# KiCad board main.kicad_pcb (continued)
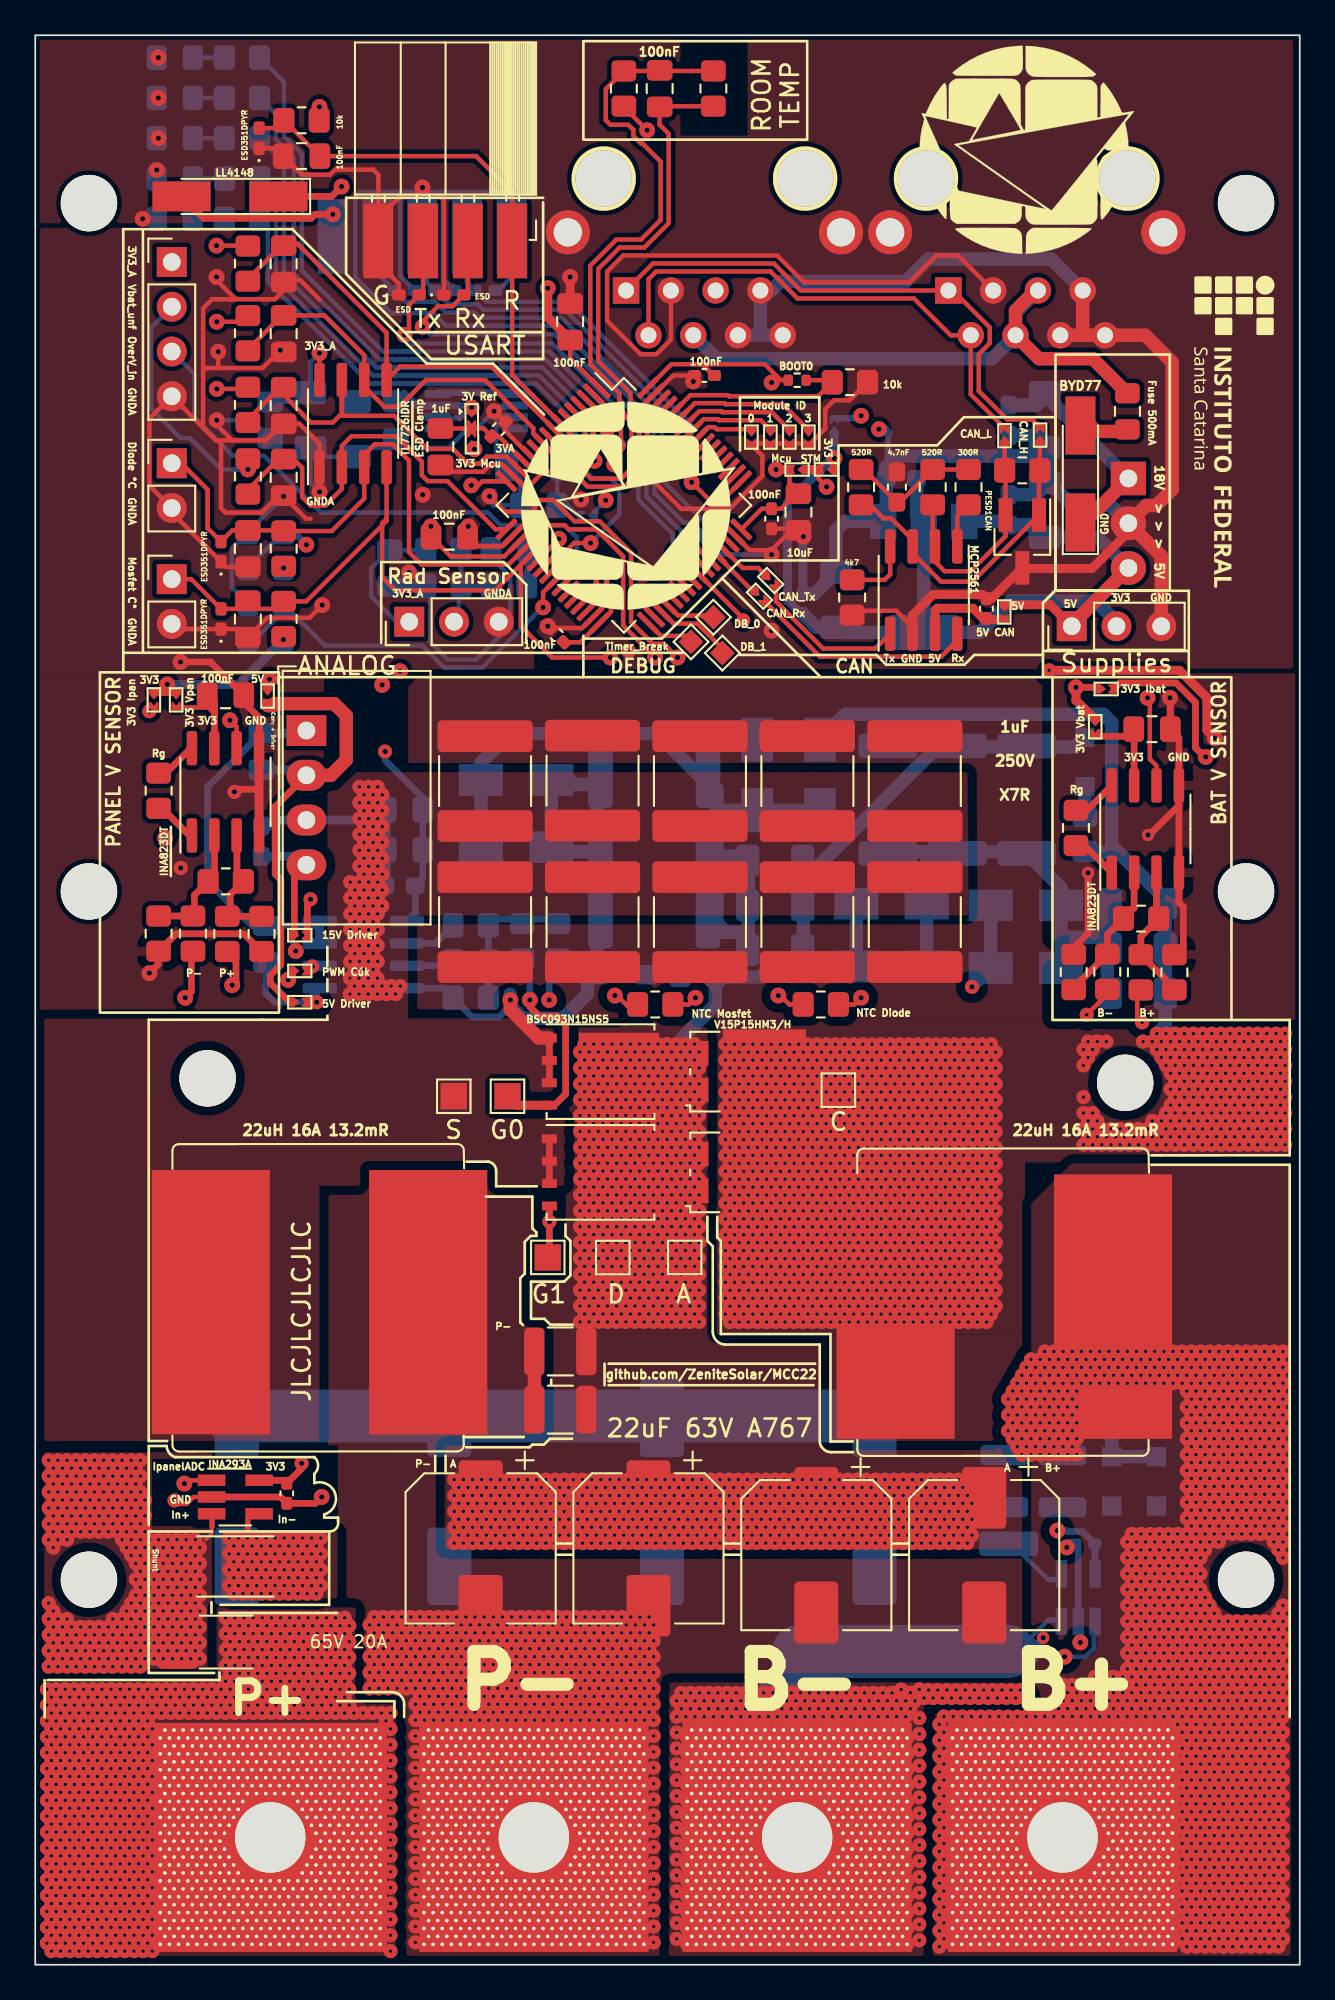
[diagram p0: board, top side]
## Routing (per net, layer and track width the routed paths; a pad name or vN(x,y) marks a point on that pad's centre or on a via; arc(x,y) is an arc through that point) (continued)
  vias: v2(11.01,24.21) v2(11.01,23.31) v2(11.01,22.41) v2(11.01,21.51) v2(11.27,23.76) v2(11.27,22.86) v2(11.27,21.96) v2(11.27,21.06) v2(11.53,24.21) v2(11.53,23.31) v2(11.53,22.41) v2(11.53,21.51) v2(11.79,23.76) v2(11.79,22.86) v2(11.79,21.96) v2(11.79,21.06) v2(12.05,24.21) v2(12.05,23.31) v2(12.05,22.41) v2(12.05,21.51) v2(12.31,23.76) v2(12.31,22.86) v2(12.31,21.96) v2(12.31,21.06) v2(12.57,24.21) v2(12.57,23.31) v2(12.57,22.41) v2(12.57,21.51) v2(12.83,23.76) v2(12.83,22.86) v2(12.83,21.96) v2(12.83,21.06) v2(13.09,24.21) v2(13.09,23.31) v2(13.09,22.41) v2(13.09,21.51) v2(13.35,23.76) v2(13.35,22.86) v2(13.35,21.96) v2(13.35,21.06) v2(13.61,24.21) v2(13.61,23.31) v2(13.61,22.41) v2(13.61,21.51) v2(13.87,23.76) v2(13.87,22.86) v2(13.87,21.96) v2(13.87,21.06) v2(14.13,24.21) v2(14.13,23.31) v2(14.13,22.41) v2(14.13,21.51) v2(14.39,23.76) v2(14.39,22.86) v2(14.39,21.96) v2(14.39,21.06) v2(14.65,24.21) v2(14.65,23.31) v2(14.65,22.41) v2(14.65,21.51) v2(14.91,23.76) v2(14.91,22.86) v2(14.91,21.96) v2(14.91,21.06) v2(15.17,24.21) v2(15.17,23.31) v2(15.17,22.41) v2(15.17,21.51) v2(15.43,23.76) v2(15.43,22.86) v2(15.43,21.96) v2(15.43,21.06) v2(15.69,24.21) v2(15.69,23.31) v2(15.69,22.41) v2(15.69,21.51) v2(15.95,23.76) v2(15.95,22.86) v2(15.95,21.96) v2(15.95,21.06) v2(16.21,24.21) v2(16.21,23.31) v2(16.21,22.41) v2(16.21,21.51) v2(23.77,27.53) v2(23.77,26.62) v2(23.77,25.72) v2(23.77,24.82) v2(23.77,23.92) v2(24.03,27.08) v2(24.03,26.17) v2(24.03,25.27) v2(24.03,24.37) v2(24.29,27.53) v2(24.29,26.62) v2(24.29,25.72) v2(24.29,24.82) v2(24.29,23.92) v2(24.55,27.08) v2(24.55,26.17) v2(24.55,25.27) v2(24.55,24.37) v2(24.81,27.53) v2(24.81,26.62) v2(24.81,25.72) v2(24.81,24.82) v2(24.81,23.92) v2(25.07,27.08) v2(25.07,26.17) v2(25.07,25.27) v2(25.07,24.37) v2(25.33,27.53) v2(25.33,26.62) v2(25.33,25.72) v2(25.33,24.82) v2(25.33,23.92) v2(25.59,27.08) v2(25.59,26.17) v2(25.59,25.27) v2(25.59,24.37) v2(25.85,27.53) v2(25.85,26.62) v2(25.85,25.72) v2(25.85,24.82) v2(25.85,23.92) v2(26.11,27.08) v2(26.11,26.17) v2(26.11,25.27) v2(26.11,24.37) v2(26.37,27.53) v2(26.37,26.62) v2(26.37,25.72) v2(26.37,24.82) v2(26.37,23.92) v2(26.63,27.08) v2(26.63,26.17) v2(26.63,25.27) v2(26.63,24.37) v2(26.89,27.53) v2(26.89,26.62) v2(26.89,25.72) v2(26.89,24.82) v2(26.89,23.92) v2(27.15,27.08) v2(27.15,26.17) v2(27.15,25.27) v2(27.15,24.37) v2(27.41,27.53) v2(27.41,26.62) v2(27.41,25.72) v2(27.41,24.82) v2(27.41,23.92) v2(27.67,27.08) v2(27.67,26.17) v2(27.67,25.27) v2(27.67,24.37) v2(27.93,27.53) v2(27.93,26.62) v2(27.93,25.72) v2(27.93,24.82) v2(27.93,23.92) v2(28.19,27.08) v2(28.19,26.17) v2(28.19,25.27) v2(28.19,24.37) v2(28.45,27.53) v2(28.45,26.62) v2(28.45,25.72) v2(28.45,24.82) v2(28.45,23.92) v2(28.71,27.08) v2(28.71,26.17) v2(28.71,25.27) v2(28.71,24.37) v2(28.97,27.53) v2(28.97,26.62) v2(28.97,25.72) v2(28.97,24.82) v2(28.97,23.92) v2(29.23,27.08) v2(29.23,26.17) v2(29.23,25.27) v2(29.23,24.37) v2(29.49,27.53) v2(29.49,26.62) v2(29.49,25.72) v2(29.49,24.82) v2(29.49,23.92) v2(29.75,27.08) v2(29.75,26.17) v2(29.75,25.27) v2(29.75,24.37) v2(30.01,27.53) v2(30.01,26.62) v2(30.01,25.72) v2(30.01,24.82) v2(30.01,23.92) v2(30.27,27.08) v2(30.27,26.17) v2(30.27,25.27) v2(30.27,24.37) v2(30.53,27.53) v2(30.53,26.62) v2(30.53,25.72) v2(30.53,24.82) v2(30.53,23.92) v2(30.79,27.08) v2(30.79,26.17) v2(30.79,25.27) v2(30.79,24.37) v2(30.91,51.78) v2(30.91,50.88) v2(30.91,49.98) v2(30.91,49.08) v2(30.91,48.18) v2(30.91,47.28) v2(30.91,46.38) v2(30.91,45.48) v2(30.91,44.58) v2(30.91,43.68) v2(30.91,42.78) v2(30.91,41.88) v2(30.91,40.98) v2(30.91,40.07) v2(30.91,39.17) v2(30.91,38.27) v2(30.91,37.37) v2(30.91,36.47) v2(31.05,27.53) v2(31.05,26.62) v2(31.05,25.72) v2(31.05,24.82) v2(31.05,23.92) v2(31.17,52.23) v2(31.17,51.33) v2(31.17,50.43) v2(31.17,49.53) v2(31.17,48.63) v2(31.17,47.73) v2(31.17,46.83) v2(31.17,45.93) v2(31.17,45.03) v2(31.17,44.13) v2(31.17,43.23) v2(31.17,42.33) v2(31.17,41.43) v2(31.17,40.52) v2(31.17,39.62) v2(31.17,38.72) v2(31.17,37.82) v2(31.17,36.92) v2(31.31,27.08) v2(31.31,26.17) v2(31.31,25.27) v2(31.31,24.37) v2(31.43,51.78) v2(31.43,50.88) v2(31.43,49.98) v2(31.43,49.08) v2(31.43,48.18) v2(31.43,47.28) v2(31.43,46.38) v2(31.43,45.48) v2(31.43,44.58) v2(31.43,43.68) v2(31.43,42.78) v2(31.43,41.88) v2(31.43,40.98) v2(31.43,40.07) v2(31.43,39.17) v2(31.43,38.27) v2(31.43,37.37) v2(31.43,36.47) v2(31.57,27.53) v2(31.57,26.62) v2(31.57,25.72) v2(31.57,24.82) v2(31.57,23.92) v2(31.69,52.23) v2(31.69,51.33) v2(31.69,50.43) v2(31.69,49.53) v2(31.69,48.63) v2(31.69,47.73) v2(31.69,46.83) v2(31.69,45.93) v2(31.69,45.03) v2(31.69,44.13) v2(31.69,43.23) v2(31.69,42.33) v2(31.69,41.43) v2(31.69,40.52) v2(31.69,39.62) v2(31.69,38.72) v2(31.69,37.82) v2(31.69,36.92) v2(31.83,27.08) v2(31.83,26.17) v2(31.83,25.27) v2(31.83,24.37) v2(31.95,51.78) v2(31.95,50.88) v2(31.95,49.98) v2(31.95,49.08) v2(31.95,48.18) v2(31.95,47.28) v2(31.95,46.38) v2(31.95,45.48) v2(31.95,44.58) v2(31.95,43.68) v2(31.95,42.78) v2(31.95,41.88) v2(31.95,40.98) v2(31.95,40.07) v2(31.95,39.17) v2(31.95,38.27) v2(31.95,37.37) v2(31.95,36.47) v2(32.09,27.53) v2(32.09,26.62) v2(32.09,25.72) v2(32.09,24.82) v2(32.09,23.92) v2(32.21,52.23) v2(32.21,51.33) v2(32.21,50.43) v2(32.21,49.53) v2(32.21,48.63) v2(32.21,47.73) v2(32.21,46.83) v2(32.21,45.93) v2(32.21,45.03) v2(32.21,44.13) v2(32.21,43.23) v2(32.21,42.33) v2(32.21,41.43) v2(32.21,40.52) v2(32.21,39.62) v2(32.21,38.72) v2(32.21,37.82) v2(32.21,36.92) v2(32.35,27.08) v2(32.35,26.17) v2(32.35,25.27) v2(32.35,24.37) v2(32.47,51.78) v2(32.47,50.88) v2(32.47,49.98) v2(32.47,49.08) v2(32.47,48.18) v2(32.47,47.28) v2(32.47,46.38) v2(32.47,45.48) v2(32.47,44.58) v2(32.47,43.68) v2(32.47,42.78) v2(32.47,41.88) v2(32.47,40.98) v2(32.47,40.07) v2(32.47,39.17) v2(32.47,38.27) v2(32.47,37.37) v2(32.47,36.47) v2(32.61,27.53) v2(32.61,26.62) v2(32.61,25.72) v2(32.61,24.82) v2(32.61,23.92) v2(32.73,52.23) v2(32.73,51.33) v2(32.73,50.43) v2(32.73,49.53) v2(32.73,48.63) v2(32.73,47.73) v2(32.73,46.83) v2(32.73,45.93) v2(32.73,45.03) v2(32.73,44.13) v2(32.73,43.23) v2(32.73,42.33) v2(32.73,41.43) v2(32.73,40.52) v2(32.73,39.62) v2(32.73,38.72) v2(32.73,37.82) v2(32.73,36.92) v2(32.87,27.08) v2(32.87,26.17) v2(32.87,25.27) v2(32.87,24.37) v2(32.99,51.78) v2(32.99,50.88) v2(32.99,49.98) v2(32.99,49.08) v2(32.99,48.18) v2(32.99,47.28) v2(32.99,46.38) v2(32.99,45.48) v2(32.99,44.58) v2(32.99,43.68) v2(32.99,42.78) v2(32.99,41.88) v2(32.99,40.98) v2(32.99,40.07) v2(32.99,39.17) v2(32.99,38.27) v2(32.99,37.37) v2(32.99,36.47) v2(33.13,27.53) v2(33.13,26.62) v2(33.13,25.72) v2(33.13,24.82) v2(33.13,23.92) v2(33.25,52.23) v2(33.25,51.33) v2(33.25,50.43) v2(33.25,49.53) v2(33.25,48.63) v2(33.25,47.73) v2(33.25,46.83) v2(33.25,45.93) v2(33.25,45.03) v2(33.25,44.13) v2(33.25,43.23) v2(33.25,42.33) v2(33.25,41.43) v2(33.25,40.52) v2(33.25,39.62) v2(33.25,38.72) v2(33.25,37.82) v2(33.25,36.92) v2(33.39,27.08) v2(33.39,26.17) v2(33.39,25.27) v2(33.39,24.37) v2(33.51,51.78) v2(33.51,50.88) v2(33.51,49.98) v2(33.51,49.08) v2(33.51,48.18) v2(33.51,47.28) v2(33.51,46.38) v2(33.51,45.48) v2(33.51,44.58) v2(33.51,43.68) v2(33.51,42.78) v2(33.51,41.88) v2(33.51,40.98) v2(33.51,40.07) v2(33.51,39.17) v2(33.51,38.27) v2(33.51,37.37) v2(33.51,36.47) v2(33.65,27.53) v2(33.65,26.62) v2(33.65,25.72) v2(33.65,24.82) v2(33.65,23.92) v2(33.77,52.23) v2(33.77,51.33) v2(33.77,50.43) v2(33.77,49.53) v2(33.77,48.63) v2(33.77,47.73) v2(33.77,46.83) v2(33.77,45.93) v2(33.77,45.03) v2(33.77,44.13) v2(33.77,43.23) v2(33.77,42.33) v2(33.77,41.43) v2(33.77,40.52) v2(33.77,39.62) v2(33.77,38.72) v2(33.77,37.82) v2(33.77,36.92) v2(33.91,27.08) v2(33.91,26.17) v2(33.91,25.27) v2(33.91,24.37) v2(34.03,51.78) v2(34.03,50.88) v2(34.03,49.98) v2(34.03,49.08) v2(34.03,48.18) v2(34.03,47.28) v2(34.03,46.38) v2(34.03,45.48) v2(34.03,44.58) v2(34.03,43.68) v2(34.03,42.78) v2(34.03,41.88) v2(34.03,40.98) v2(34.03,40.07) v2(34.03,39.17) v2(34.03,38.27) v2(34.03,37.37) v2(34.03,36.47) v2(34.17,27.53) v2(34.17,26.62) v2(34.17,25.72) v2(34.17,24.82) v2(34.17,23.92) v2(34.29,52.23) v2(34.29,51.33) v2(34.29,50.43) v2(34.29,49.53) v2(34.29,48.63) v2(34.29,47.73) v2(34.29,46.83) v2(34.29,45.93) v2(34.29,45.03) v2(34.29,44.13) v2(34.29,43.23) v2(34.29,42.33) v2(34.29,41.43) v2(34.29,40.52) v2(34.29,39.62) v2(34.29,38.72) v2(34.29,37.82) v2(34.29,36.92) v2(34.43,27.08) v2(34.43,26.17) v2(34.43,25.27) v2(34.43,24.37) v2(34.55,51.78) v2(34.55,50.88) v2(34.55,49.98) v2(34.55,49.08) v2(34.55,48.18) v2(34.55,47.28) v2(34.55,46.38) v2(34.55,45.48) v2(34.55,44.58) v2(34.55,43.68) v2(34.55,42.78) v2(34.55,41.88) v2(34.55,40.98) v2(34.55,40.07) v2(34.55,39.17) v2(34.55,38.27) v2(34.55,37.37) v2(34.55,36.47) v2(34.69,27.53) v2(34.69,26.62) v2(34.69,25.72) v2(34.69,24.82) v2(34.69,23.92) v2(34.81,52.23) v2(34.81,51.33) v2(34.81,50.43) v2(34.81,49.53) v2(34.81,48.63) v2(34.81,47.73) v2(34.81,46.83) v2(34.81,45.93) v2(34.81,45.03) v2(34.81,44.13) v2(34.81,43.23) v2(34.81,42.33) v2(34.81,41.43) v2(34.81,40.52) v2(34.81,39.62) v2(34.81,38.72) v2(34.81,37.82) v2(34.81,36.92) v2(34.95,27.08) v2(34.95,26.17) v2(34.95,25.27) v2(34.95,24.37) v2(35.07,51.78) v2(35.07,50.88) v2(35.07,49.98) v2(35.07,49.08) v2(35.07,48.18) v2(35.07,47.28) v2(35.07,46.38) v2(35.07,45.48) v2(35.07,44.58) v2(35.07,43.68) v2(35.07,42.78) v2(35.07,41.88) v2(35.07,40.98) v2(35.07,40.07) v2(35.07,39.17) v2(35.07,38.27) v2(35.07,37.37) v2(35.07,36.47) v2(35.21,27.53) v2(35.21,26.62) v2(35.21,25.72) v2(35.21,24.82) v2(35.21,23.92) v2(35.33,52.23) v2(35.33,51.33) v2(35.33,50.43) v2(35.33,49.53) v2(35.33,48.63) v2(35.33,47.73) v2(35.33,46.83) v2(35.33,45.93) v2(35.33,45.03) v2(35.33,44.13) v2(35.33,43.23) v2(35.33,42.33) v2(35.33,41.43) v2(35.33,40.52) v2(35.33,39.62) v2(35.33,38.72) v2(35.33,37.82) v2(35.33,36.92) v2(35.47,27.08) v2(35.47,26.17) v2(35.47,25.27) v2(35.47,24.37) v2(35.59,51.78) v2(35.59,50.88) v2(35.59,49.98) v2(35.59,49.08) v2(35.59,48.18) v2(35.59,47.28) v2(35.59,46.38) v2(35.59,45.48) v2(35.59,44.58) v2(35.59,43.68) v2(35.59,42.78) v2(35.59,41.88) v2(35.59,40.98) v2(35.59,40.07) v2(35.59,39.17) v2(35.59,38.27) v2(35.59,37.37) v2(35.59,36.47) v2(35.73,27.53) v2(35.73,26.62) v2(35.73,25.72) v2(35.73,24.82) v2(35.73,23.92) v2(35.85,52.23) v2(35.85,51.33) v2(35.85,50.43) v2(35.85,49.53) v2(35.85,48.63) v2(35.85,47.73) v2(35.85,46.83) v2(35.85,45.93) v2(35.85,45.03) v2(35.85,44.13) v2(35.85,43.23) v2(35.85,42.33) v2(35.85,41.43) v2(35.85,40.52) v2(35.85,39.62) v2(35.85,38.72) v2(35.85,37.82) v2(35.85,36.92) v2(35.99,27.08) v2(35.99,26.17) v2(35.99,25.27) v2(35.99,24.37) v2(36.11,51.78) v2(36.11,50.88) v2(36.11,49.98) v2(36.11,49.08) v2(36.11,48.18) v2(36.11,47.28) v2(36.11,46.38) v2(36.11,45.48) v2(36.11,44.58) v2(36.11,43.68) v2(36.11,42.78) v2(36.11,41.88) v2(36.11,40.98) v2(36.11,40.07) v2(36.11,39.17) v2(36.11,38.27) v2(36.11,37.37) v2(36.11,36.47) v2(36.25,27.53) v2(36.25,26.62) v2(36.25,25.72) v2(36.25,24.82) v2(36.25,23.92) v2(36.37,52.23) v2(36.37,51.33) v2(36.37,50.43) v2(36.37,49.53) v2(36.37,48.63) v2(36.37,47.73) v2(36.37,46.83) v2(36.37,45.93) v2(36.37,45.03) v2(36.37,44.13) v2(36.37,43.23) v2(36.37,42.33) v2(36.37,41.43) v2(36.37,40.52) v2(36.37,39.62) v2(36.37,38.72) v2(36.37,37.82) v2(36.37,36.92) v2(36.51,27.08) v2(36.51,26.17) v2(36.51,25.27) v2(36.51,24.37) v2(36.63,51.78) v2(36.63,50.88) v2(36.63,49.98) v2(36.63,49.08) v2(36.63,48.18) v2(36.63,47.28) v2(36.63,46.38) v2(36.63,45.48) v2(36.63,44.58) v2(36.63,43.68) v2(36.63,42.78) v2(36.63,41.88) v2(36.63,40.98) v2(36.63,40.07) v2(36.63,39.17) v2(36.63,38.27) v2(36.63,37.37) v2(36.63,36.47) v2(36.77,27.53) v2(36.77,26.62) v2(36.77,25.72) v2(36.77,24.82) v2(36.77,23.92) v2(36.89,52.23) v2(36.89,51.33) v2(36.89,50.43) v2(36.89,49.53) v2(36.89,48.63) v2(36.89,47.73) v2(36.89,46.83) v2(36.89,45.93) v2(36.89,45.03) v2(36.89,44.13) v2(36.89,43.23) v2(36.89,42.33) v2(36.89,41.43) v2(36.89,40.52) v2(36.89,39.62) v2(36.89,38.72) v2(36.89,37.82) v2(36.89,36.92) v2(37.03,27.08) v2(37.03,26.17) v2(37.03,25.27) v2(37.03,24.37) v2(37.15,51.78) v2(37.15,50.88) v2(37.15,49.98) v2(37.15,49.08) v2(37.15,48.18) v2(37.15,47.28) v2(37.15,46.38) v2(37.15,45.48) v2(37.15,44.58) v2(37.15,43.68) v2(37.15,42.78) v2(37.15,41.88) v2(37.15,40.98) v2(37.15,40.07) v2(37.15,39.17) v2(37.15,38.27) v2(37.15,37.37) v2(37.15,36.47) v2(37.29,27.53) v2(37.29,26.62) v2(37.29,25.72) v2(37.29,24.82) v2(37.29,23.92) v2(37.41,52.23) v2(37.41,51.33) v2(37.41,50.43) v2(37.41,49.53) v2(37.41,48.63) v2(37.41,47.73) v2(37.41,46.83) v2(37.41,45.93) v2(37.41,45.03) v2(37.41,44.13) v2(37.41,43.23) v2(37.41,42.33) v2(37.41,41.43) v2(37.41,40.52) v2(37.41,39.62) v2(37.41,38.72) v2(37.41,37.82) v2(37.41,36.92) v2(37.55,27.08) v2(37.55,26.17) v2(37.55,25.27) v2(37.55,24.37) v2(37.67,51.78) v2(37.67,50.88) v2(37.67,49.98) v2(37.67,49.08) v2(37.67,48.18) v2(37.67,47.28) v2(37.67,46.38) v2(37.67,45.48) v2(37.67,44.58) v2(37.67,43.68) v2(37.67,42.78) v2(37.67,41.88) v2(37.67,40.98) v2(37.67,40.07) v2(37.67,39.17) v2(37.67,38.27) v2(37.67,37.37) v2(37.67,36.47) v2(37.81,27.53) v2(37.81,26.62) v2(37.81,25.72) v2(37.81,24.82) v2(37.81,23.92) v2(38.07,27.08) v2(38.07,26.17) v2(38.07,25.27) v2(38.07,24.37) v2(38.33,27.53) v2(38.33,26.62) v2(38.33,25.72) v2(38.33,24.82) v2(38.33,23.92) v2(38.59,27.08) v2(38.59,26.17) v2(38.59,25.27) v2(38.59,24.37) v2(38.85,27.53) v2(38.85,26.62) v2(38.85,25.72) v2(38.85,24.82) v2(38.85,23.92) v2(39.11,27.08) v2(39.11,26.17) v2(39.11,25.27) v2(39.11,24.37) v2(39.37,27.53) v2(39.37,26.62) v2(39.37,25.72) v2(39.37,24.82) v2(39.37,23.92) v2(39.63,27.08) v2(39.63,26.17) v2(39.63,25.27) v2(39.63,24.37) v2(39.89,27.53) v2(39.89,26.62) v2(39.89,25.72) v2(39.89,24.82) v2(39.89,23.92) v2(40.15,27.08) v2(40.15,26.17) v2(40.15,25.27) v2(40.15,24.37) v2(40.41,27.53) v2(40.41,26.62) v2(40.41,25.72) v2(40.41,24.82) v2(40.41,23.92) v2(40.67,27.08) v2(40.67,26.17) v2(40.67,25.27) v2(40.67,24.37) v2(40.93,27.53) v2(40.93,26.62) v2(40.93,25.72) v2(40.93,24.82) v2(40.93,23.92) v2(41.19,27.08) v2(41.19,26.17) v2(41.19,25.27) v2(41.19,24.37) v2(41.45,27.53) v2(41.45,26.62) v2(41.45,25.72) v2(41.45,24.82) v2(41.45,23.92) v2(41.71,27.08) v2(41.71,26.17) v2(41.71,25.27) v2(41.71,24.37) v2(41.97,27.53) v2(41.97,26.62) v2(41.97,25.72) v2(41.97,24.82) v2(41.97,23.92) v2(42.23,27.08) v2(42.23,26.17) v2(42.23,25.27) v2(42.23,24.37) v2(42.49,27.53) v2(42.49,26.62) v2(42.49,25.72) v2(42.49,24.82) v2(42.49,23.92) v2(42.75,27.08) v2(42.75,26.17) v2(42.75,25.27) v2(42.75,24.37) v2(43.01,27.53) v2(43.01,26.62) v2(43.01,25.72) v2(43.01,24.82) v2(43.01,23.92) v2(43.27,27.08) v2(43.27,26.17) v2(43.27,25.27) v2(43.27,24.37) v2(43.53,27.53) v2(43.53,26.62) v2(43.53,25.72) v2(43.53,24.82) v2(43.53,23.92) v2(43.79,27.08) v2(43.79,26.17) v2(43.79,25.27) v2(43.79,24.37) v2(44.05,27.53) v2(44.05,26.62) v2(44.05,25.72) v2(44.05,24.82) v2(44.05,23.92) v2(44.31,27.08) v2(44.31,26.17) v2(44.31,25.27) v2(44.31,24.37) v2(44.57,27.53) v2(44.57,26.62) v2(44.57,25.72) v2(44.57,24.82) v2(44.57,23.92) v2(44.83,27.08) v2(44.83,26.17) v2(44.83,25.27) v2(44.83,24.37) v2(45.09,27.53) v2(45.09,26.62) v2(45.09,25.72) v2(45.09,24.82) v2(45.09,23.92) v2(45.35,27.08) v2(45.35,26.17) v2(45.35,25.27) v2(45.35,24.37) v2(45.61,27.53) v2(45.61,26.62) v2(45.61,25.72) v2(45.61,24.82) v2(45.61,23.92) v2(45.87,27.08) v2(45.87,26.17) v2(45.87,25.27) v2(45.87,24.37) v2(46.13,27.53) v2(46.13,26.62) v2(46.13,25.72) v2(46.13,24.82) v2(46.13,23.92) v2(46.39,27.08) v2(46.39,26.17) v2(46.39,25.27) v2(46.39,24.37) v2(46.65,27.53) v2(46.65,26.62) v2(46.65,25.72) v2(46.65,24.82) v2(46.65,23.92) v2(46.91,27.08) v2(46.91,26.17) v2(46.91,25.27) v2(46.91,24.37) v2(47.17,27.53) v2(47.17,26.62) v2(47.17,25.72) v2(47.17,24.82) v2(47.17,23.92) v2(47.43,27.08) v2(47.43,26.17) v2(47.43,25.27) v2(47.43,24.37) v2(47.69,27.53) v2(47.69,26.62) v2(47.69,25.72) v2(47.69,24.82) v2(47.69,23.92) v2(47.95,27.08) v2(47.95,26.17) v2(47.95,25.27) v2(47.95,24.37) v2(48.21,27.53) v2(48.21,26.62) v2(48.21,25.72) v2(48.21,24.82) v2(48.21,23.92) v2(48.47,27.08) v2(48.47,26.17) v2(48.47,25.27) v2(48.47,24.37) v2(48.73,27.53) v2(48.73,26.62) v2(48.73,25.72) v2(48.73,24.82) v2(48.73,23.92) v2(48.99,27.08) v2(48.99,26.17) v2(48.99,25.27) v2(48.99,24.37) v2(49.25,27.53) v2(49.25,26.62) v2(49.25,25.72) v2(49.25,24.82) v2(49.25,23.92) v2(49.51,27.08) v2(49.51,26.17) v2(49.51,25.27) v2(49.51,24.37) v2(49.77,27.53) v2(49.77,26.62) v2(49.77,25.72) v2(49.77,24.82) v2(49.77,23.92) v2(50.03,27.08) v2(50.03,26.17) v2(50.03,25.27) v2(50.03,24.37) v2(50.29,27.53) v2(50.29,26.62) v2(50.29,25.72) v2(50.29,24.82) v2(50.29,23.92) v2(50.55,27.08) v2(50.55,26.17) v2(50.55,25.27) v2(50.55,24.37) v2(50.81,27.53) v2(50.81,26.62) v2(50.81,25.72) v2(50.81,24.82) v2(50.81,23.92) v2(51.07,27.08) v2(51.07,26.17) v2(51.07,25.27) v2(51.07,24.37) v2(51.33,27.53) v2(51.33,26.62) v2(51.33,25.72) v2(51.33,24.82) v2(51.33,23.92) v2(51.59,27.08) v2(51.59,26.17) v2(51.59,25.27) v2(51.59,24.37) v2(51.85,27.53) v2(51.85,26.62) v2(51.85,25.72) v2(51.85,24.82) v2(51.85,23.92) v2(52.11,27.08) v2(52.11,26.17) v2(52.11,25.27) v2(52.11,24.37) v2(52.37,27.53) v2(52.37,26.62) v2(52.37,25.72) v2(52.37,24.82) v2(52.37,23.92) v2(52.63,27.08) v2(52.63,26.17) v2(52.63,25.27) v2(52.63,24.37) v2(52.89,26.62) v2(52.89,25.72) v2(52.89,24.82) v2(52.89,23.92) v2(53.15,26.17) v2(53.15,25.27) v2(53.15,24.37)
/Cuk/C: length 45.4
  Bottom w0.762: v2(63.64,52.83) 64.12,53.31 C408.2 ; R412.1 59.62,63.12 61.47,63.12 ; 61.47,63.12 64.12,60.46 64.12,56.04 ; 61.47,63.12 61.09,63.5 61.09,70.47 60.61,70.95 45.96,70.95 D404.1 D403.1 ; 64.12,55.79 C406.2